# Altium PCB UmTRXv21.PcbDoc (part 7 of 19) (continued)
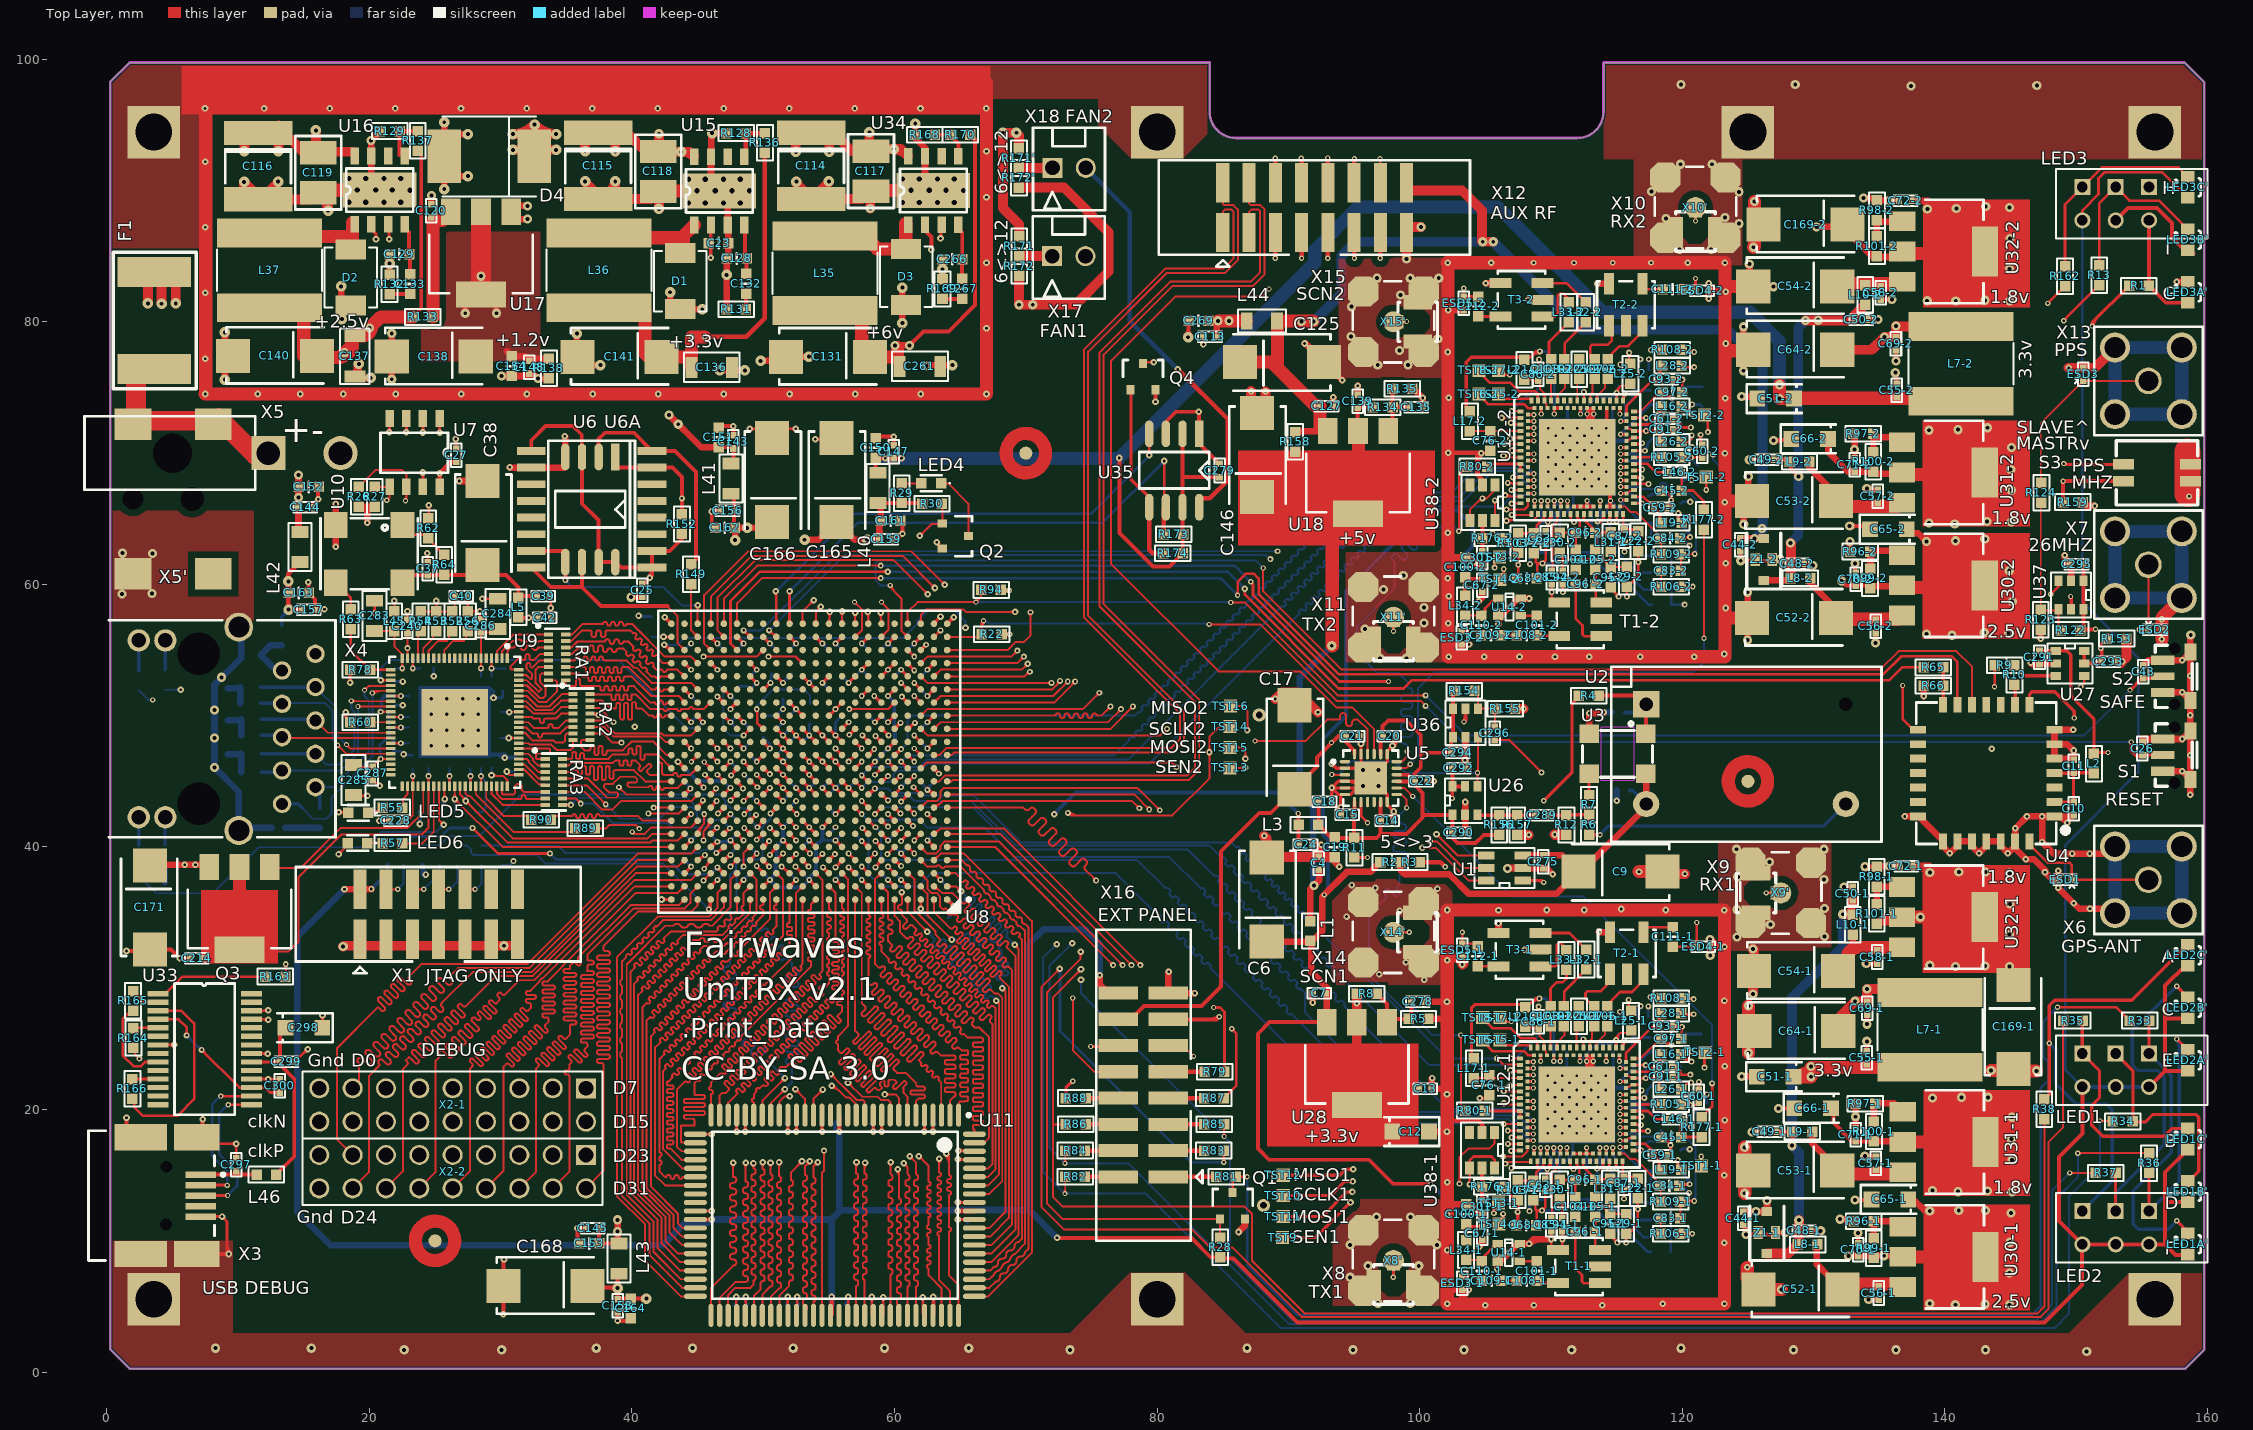
[diagram p0: Top Layer view]
## Nets (pads, with @x,y where several pads share a name; then routed paths per layer and width w, separated by ;. In a path a pad name is that pad's centre, name@x,y a point inside that pad or via, vN(x,y) a via of type N, cw(c..) or ccw(c..) an arc to the next point about the centre after c; other vN are vias at no path point) (continued)
; C68-2.2@108.896,60.48 108.95,60.534 108.95,61.6 ; v1@108.969,27.75 cw(c108.755,27.536) 109.057,27.536 cw(c109.359,27.536) v1@109.145,27.75 ; v1@109.008,77.041 cw(c108.794,76.828) 109.096,76.828 cw(c109.398,76.828) v1@109.184,77.041 ; C86-1.2@109.057,27.188 v1(109.057,27.838) ; C86-2.2@109.096,76.48 v1(109.096,77.13) ; v1@109.223,12.22 ccw(c109.009,12.006) 109.009,12.308 ccw(c109.009,12.61) v1@109.223,12.397 ; v1@109.262,61.512 ccw(c109.048,61.298) 109.048,61.6 ccw(c109.048,61.902) v1@109.262,61.688 ; v1@109.311,12.433 ccw(c109.311,12.735) 109.524,12.522 ccw(c109.738,12.308) v1@109.436,12.308 ; v1@109.35,61.725 ccw(c109.35,62.027) 109.563,61.813 ccw(c109.777,61.6) v1@109.475,61.6 ; C63-1.1@109.557,13.738 109.557,12.554 v1(109.311,12.308) 108.911,12.308 ; C63-2.1@109.596,63.03 109.596,61.846 v1(109.35,61.6) 108.95,61.6 ; v1@109.923,10.02 cw(c109.709,9.806) 110.011,9.806 cw(c110.313,9.806) v1@110.099,10.02 ; v1@109.923,10.197 ccw(c109.719,10.4) 110.007,10.4 ; T1-1.6@109.933,9.3 110.011,9.378 v1(110.011,10.108) 110.007,10.112 C85-1.1@110.007,10.738 ; v1@109.962,59.312 cw(c109.748,59.098) 110.05,59.098 cw(c110.352,59.098) v1@110.138,59.312 ; v1@109.962,59.488 ccw(c109.758,59.692) 110.046,59.692 ; T1-2.6@109.972,58.592 110.05,58.67 v1(110.05,59.4) 110.046,59.404 C85-2.1@110.046,60.03 ; 110.007,10.42 ccw(c110.323,10.42) v1@110.099,10.197 ; 110.046,59.712 ccw(c110.362,59.712) v1@110.138,59.488 ; T1-1.6@110.525,9.32 110.861,9.656 v1(110.861,10.108) 110.911,10.108 110.857,10.162 C94-1.1@110.857,10.738 ; v1@110.773,10.02 cw(c110.559,9.806) 110.861,9.806 cw(c111.163,9.806) v1@110.949,10.02 ; v1@110.773,10.197 ccw(c110.569,10.4) 110.857,10.4 ; v1@110.812,59.488 ccw(c110.608,59.692) 110.896,59.692 ; 110.857,10.42 ccw(c111.173,10.42) v1@110.949,10.197 ; 110.896,59.712 ccw(c111.212,59.712) v1@110.988,59.488 ; C94-2.1@110.896,60.03 110.896,59.454 110.95,59.4 v1(110.9,59.4) ; U12-1.0@111.957,20.388 U12-1.0@113.057,21.488 113.207,21.638 v4(113.207,23.688) ; v4@112.636,23.617 cw(c112.466,23.447) 112.707,23.447 cw(c112.948,23.447) v4@112.778,23.617 ; v4@112.636,23.759 ccw(c112.466,23.93) 112.707,23.93 ccw(c112.948,23.93) v4@112.778,23.759 ; U12-1.0@112.707,21.138 v4(112.707,23.688) ; v4@112.707,23.713 U12-1.99@112.707,24.138 ; v4@113.136,23.617 cw(c112.966,23.447) 113.207,23.447 cw(c113.448,23.447) v4@113.278,23.617 ; v4@113.136,23.759 ccw(c112.966,23.93) 113.207,23.93 ccw(c113.448,23.93) v4@113.278,23.759 ; v4@113.207,23.713 U12-1.97@113.207,24.138 ; v4@114.136,17.017 cw(c113.966,16.847) 114.207,16.847 cw(c114.448,16.847) v4@114.278,17.017 ; v4@114.136,23.759 ccw(c113.966,23.93) 114.207,23.93 ccw(c114.448,23.93) v4@114.278,23.759 ; U12-1.53@114.207,16.638 v4@114.207,17.063 ; v4@114.207,23.713 U12-1.93@114.207,24.138 ; C95-1.2@114.507,10.538 114.507,10.418 v1(115.05,9.875) ; C95-2.2@114.546,59.83 114.546,59.679 v1(115.15,59.075) ; v4@114.636,17.017 cw(c114.466,16.847) 114.707,16.847 cw(c114.948,16.847) v4@114.778,17.017 ; U12-1.55@114.707,16.638 v4@114.707,17.063 ; v1@114.925,9.875 ccw(c114.623,9.875) 114.837,10.088 ccw(c115.05,10.302) v1@115.05,10 ; v1@115.025,59.075 ccw(c114.723,59.075) 114.937,59.288 ccw(c115.15,59.502) v1@115.15,59.2 ; U12-1.88@115.457,24.704 cw(c116.079,24.704) v1@115.644,25.149 ; U12-1.88@115.457,24.713 115.457,25.138 115.607,25.288 v1(115.557,25.238) ; v1@115.473,13.297 ccw(c115.269,13.5) 115.557,13.5 ; U12-2.88@115.496,73.995 cw(c116.118,73.995) v1@115.683,74.441 ; U12-2.88@115.496,74.005 115.496,74.43 115.646,74.58 v1(115.596,74.53) ; v1@115.512,62.588 ccw(c115.308,62.792) 115.596,62.792 ; 115.557,13.52 ccw(c115.873,13.52) v1@115.649,13.297 ; C87-1.2@115.557,13.888 115.557,13.212 v1(115.561,13.208) ; 115.596,62.812 ccw(c115.912,62.812) v1@115.688,62.588 ; C87-2.2@115.596,63.18 115.596,62.504 v1(115.6,62.5) ; C45-1.1@118.111,17.908 C45-1.1@118.411,17.908 ; C45-2.1@118.45,67.15 118.75,67.15 119.15,66.75 v1(119.15,66.4) 119.15,66.114 ; C45-1.1@118.65,17.9 119.111,17.439 119.111,16.822 C59-1.1@118.816,16.527 ; C45-1.1@118.777,17.773 cw(c118.298,17.294) v1@118.975,17.294 ; v1@119.012,17.206 cw(c118.772,16.966) 119.111,16.966 ; v1@119.027,66.377 cw(c118.414,66.26) C59-2.1@118.855,65.819 119.15,66.114 ; v1@119.062,66.488 ccw(c118.848,66.702) 119.15,66.702 ccw(c119.452,66.702) v1@119.238,66.488 ; v1@119.065,66.308 cw(c118.885,66.114) 119.15,66.114 ; 119.111,17.019 cw(c119.375,17.019) v1@119.188,17.206 ; 119.123,66.086 ccw(c118.863,66.346) v1@119.224,66.414 ; v1@119.235,66.308 ccw(c119.415,66.114) 119.15,66.114 ; C91-1.2@119.257,22.438 119.641,22.438 119.861,22.658 ; C61-1.1@119.257,23.188 119.269,23.2 119.569,23.2 119.861,22.908 119.861,22.658 ; C93-1.2@119.266,26.275 v1@119.85,26.275 ; C91-2.2@119.296,71.73 119.68,71.73 119.9,71.95 ; C61-2.1@119.296,72.48 119.316,72.5 119.6,72.5 119.9,72.2 119.9,71.95 ; C93-2.2@119.296,75.48 119.88,75.48 v1(120,75.6) 120,74.7 120.2,74.5 120.15,74.5 C97-2.1@119.95,74.7 ; C93-2.2@119.408,75.48 ccw(c119.408,76.192) v1@119.912,75.688 ; 119.579,26.275 ccw(c119.579,26.69) v1@119.873,26.397 ; R106-1.1@119.857,10.538 v1(120.757,10.538) ; C84-1.1@119.857,14.288 120.541,14.288 v1(120.561,14.308) ; v1@119.873,26.22 cw(c119.659,26.006) 119.961,26.006 cw(c120.263,26.006) v1@120.049,26.22 ; R106-2.1@119.896,59.83 v1(120.796,59.83) ; C84-2.1@119.896,63.58 120.58,63.58 v1(120.6,63.6) ; C97-1.1@119.911,25.408 120.111,25.208 120.161,25.208 119.961,25.408 v1(119.961,26.308) ; v1@119.912,75.512 cw(c119.698,75.298) 120,75.298 cw(c120.302,75.298) v1@120.088,75.512 ; R108-1.1@119.961,28.408 v1(120.861,28.408) ; R108-2.1@120,77.7 v1(120.9,77.7) ; 120.211,14.288 ccw(c120.211,14.659) v1@120.473,14.397 ; 120.25,63.58 ccw(c120.25,63.95) v1@120.512,63.688 ; 120.308,14.288 cw(c120.308,14.055) v1@120.473,14.22 ; 120.347,63.58 cw(c120.347,63.347) v1@120.512,63.512 ; v1@120.523,22.57 ccw(c120.309,22.356) 120.309,22.658 ccw(c120.309,22.96) v1@120.523,22.747 ; v1@120.562,71.862 ccw(c120.348,71.648) 120.348,71.95 ccw(c120.348,72.252) v1@120.562,72.038 ; v1(120.611,22.658) 119.861,22.658 ; v1(120.65,71.95) 119.9,71.95 ; v1@120.669,10.45 ccw(c120.455,10.236) 120.455,10.538 ccw(c120.455,10.84) v1@120.669,10.626 ; v1@120.708,59.741 ccw(c120.494,59.528) 120.494,59.83 ccw(c120.494,60.132) v1@120.708,59.918 ; v1@120.773,28.32 ccw(c120.559,28.106) 120.559,28.408 ccw(c120.559,28.71) v1@120.773,28.497 ; v1@120.812,77.612 ccw(c120.598,77.398) 120.598,77.7 ccw(c120.598,78.002) v1@120.812,77.788 ; v1@121.173,22.02 cw(c120.959,21.806) 121.261,21.806 cw(c121.563,21.806) v1@121.349,22.02 ; C60-1.1@121.261,21.508 v1(121.261,22.108) ; v1@121.312,71.312 cw(c121.098,71.098) 121.4,71.098 cw(c121.702,71.098) v1@121.488,71.312 ; C60-2.1@121.4,70.65 v1(121.4,71.4) ; 42.756,57.244 cw(c42.519,57.013) 42.85,57.004 ccw(c42.517,57.012) 42.75,57.25 ccw(c42.988,57.482) 42.996,57.15 cw(c42.987,57.481) 42.756,57.244
  Top Layer w0.25: v2(63.225,63.2) 63.225,63.125 Q2.2@63.625,62.725 ; v2@63.35,63.2 ccw(c63.833,63.2) Q2.2@63.491,62.859 ; v2@93.3,44.375 cw(c93.3,44.073) 93.513,44.287 cw(c93.727,44.5) 93.425,44.5 cw(c93.727,44.5) 93.513,44.713 cw(c93.3,44.927) v2@93.3,44.625 ; v2@93.3,46.2 cw(c93.3,45.838) 93.556,46.094 ; v2(93.3,46.325) 93.325,46.325 93.65,46 U5.2@94.3,46 U5.0@95.525,46 ; v2@93.388,44.412 cw(c93.602,44.198) 93.602,44.5 cw(c93.602,44.802) v2@93.388,44.588 ; v2@93.425,46.325 ccw(c93.666,46.325) 93.496,46.154 ; v2@93.912,43.113 ccw(c93.729,43.296) 93.987,43.296 ; 93.987,43.357 ccw(c94.332,43.357) v2@94.088,43.113 ; U5.4@94.408,45 cw(c94.408,43.383) U5.0@95.551,44.526 ; 94.89,46 cw(c94.89,45.065) U5.0@95.551,45.726 ; 95.011,45 cw(c95.011,43.986) U5.0@95.728,44.703 ; v2@95.437,47.787 cw(c95.223,47.573) 95.525,47.573 cw(c95.827,47.573) v2@95.613,47.787 ; U5.0@95.505,44.692 cw(c95.259,44.753) U5.0@95.259,44.5 ; 95.525,46.635 ccw(c96.46,46.635) U5.0@95.799,45.974 ; v2(95.525,47.875) v2@95.525,47.825 ; U5.0@95.564,44.515 ccw(c95.42,44.34) U5.0@95.259,44.5 ; v2@95.603,47.972 cw(c95.989,48.45) C21.2@95.375,48.45 95.375,47.975 v2@95.525,47.825 ; U5.0@95.675,44.825 ccw(c95.675,45.247) 95.974,44.949 ccw(c96.272,44.65) U5.0@95.85,44.65 ; U5.0@95.675,45.675 cw(c95.675,45.253) 95.974,45.551 cw(c96.272,45.85) U5.0@95.85,45.85 ; U5.0@95.846,44.688 cw(c96.439,44.82) U5.0@96.009,45.25 ; U5.0@96.7,44.65 ccw(c96.278,44.65) 96.576,44.949 ccw(c96.875,45.247) U5.0@96.875,44.825 ; U5.0@96.875,44.475 cw(c96.875,44.053) 97.174,44.351 cw(c97.472,44.65) U5.0@97.05,44.65 ; v7(96.875,45.85) 97.525,46.5 U5.19@97.525,47.075 97.525,47.3 v2(97.925,47.7) 98.175,47.95 C20.2@98.175,48.425 cw(c97.412,48.425) v2@97.853,47.802 ; U5.0@96.875,46.025 ccw(c96.875,46.447) 97.174,46.149 ccw(c97.472,45.85) U5.0@97.05,45.85 ; v2@97.8,47.7 cw(c97.498,47.7) 97.712,47.487 cw(c97.925,47.273) v2@97.925,47.575 ; v2@97.9,42.7 ccw(c97.598,42.7) 97.812,42.913 ccw(c98.025,43.127) v2@98.025,42.825 ; v2@97.925,47.825 ccw(c97.925,48.127) 98.138,47.913 ccw(c98.352,47.7) v2@98.05,47.7 ; v2@97.997,47.598 ccw(c97.754,47.942) 98.175,47.942 ; v2(98.025,42.7) 97.525,43.2 U5.12@97.525,43.425 97.525,44 U5.0@96.275,45.25 ; X12.15@99,85.35 X12.15@99,86.8 X12.15@99,87.225 ; v2(93.3,44.5) 93.3,43.5 C18.2@93.25,43.45 93.688,43.012 93.987,43.012 93.987,43.937 U5.6@94.05,44 ; v2(93.3,44.5) 93.8,45 U5.4@94.3,45 U5.0@95.759,45 ; v2(93.3,44.5) U5.5@94.3,44.5 U5.0@95.259,44.5 ; v2(93.3,44.5) 93.8,44 U5.6@94.05,44 ; U5.6@94.05,44 U5.6@94.3,44 94.759,44 U5.0@95.259,44.5 ; U5.0@95.259,44.5 U5.0@95.759,45 ; U5.0@95.259,44.5 95.525,44.5 v7(95.675,44.65) U5.0@96.025,45 ; U5.0@95.525,46 U5.0@96.275,45.25 ; U5.0@95.525,46 U5.23@95.525,47.075 v2@95.525,47.825 ; U5.0@95.759,45 U5.0@96.009,45.25 ; U5.0@95.759,45 U5.0@96.025,45 ; U5.0@96.009,45.25 U5.0@96.275,45.25 ; U5.0@96.025,45 U5.0@96.275,45.25
  Top Layer w0.3: v2(1.5,19.375) 1.5,18.15 1.725,17.925 X3.0@2.375,17.925 ; v2(1.5,32.075) 3.15,32.075 C171.2@3.275,32.2 4.875,32.2 v2(5.55,31.525) ; X3.0@2.35,9.5 X3.0@2.85,9 ; X3.0@2.85,17.9 X3.0@2.95,18 ; X3.0@7.1,9 9.15,9 v2(9.3,9) ; v2(7.3,19.25) 7.3,17.725 X3.0@7.625,17.4 ; C163.2@15.35,59.55 v2(15.35,60.175) ; C163.2@15.375,59.35 15.858,58.867 C157.2@15.858,58.1 ; C144.2@15.608,65.9 15.525,65.9 v2(16.1,66.475) C152.2@16.1,67.175 ; v5@21.353,84.248 cw(c20.926,83.821) 21.53,83.821 cw(c22.134,83.821) v5@21.707,84.248 ; v5@21.353,84.602 ccw(c20.926,85.029) 21.53,85.029 ccw(c22.134,85.029) v5@21.707,84.602 ; R132.2@21.53,83.6 v5(21.53,84.425) C129.2@21.53,85.15 ; v2(30.2,4.4) C168.2@30.2,6.55 30.2,8.55 v2(30.25,8.6) ; 30.2,8.238 cw(c30.612,8.238) v2@30.321,8.529 ; C153.2@36,9.8 35.85,9.95 v2(35.85,10.95) C145.2@36.5,10.95 ; C158.2@38.9,4.55 v2(38.9,3.9) 39.7,3.9 C164.2@39.9,4.1 ; v2@46.146,65.479 cw(c46.437,65.188) 46.437,65.6 ; C162.2@46.325,64.3 46.075,64.55 v2(46.075,65.55) 46.025,65.6 C156.2@46.775,65.6 ; C151.2@46.625,71.95 46.725,72.05 v2(47.725,72.05) C143.2@47.725,71.4 ; C150.2@58.55,71.15 58.65,71.25 v2(59.95,71.25) C147.2@59.95,70.6 ; C159.2@59.85,63.45 60.2,63.45 v2(60.6,63.85) 60.6,64.7 C161.2@60.45,64.85 ; v3(62.45,76.625) C261.2@63.45,76.625 ; v3@62.591,76.484 cw(c62.933,76.142) 62.933,76.625 cw(c62.933,77.108) v3@62.591,76.766 ; v5@63.473,83.823 cw(c63.046,83.396) 63.65,83.396 cw(c64.254,83.396) v5@63.827,83.823 ; v5@63.473,84.177 ccw(c63.046,84.604) 63.65,84.604 ccw(c64.254,84.604) v5@63.827,84.177 ; R169.2@63.65,83.15 v5(63.65,84) C266.2@63.65,84.75 ; v2(79.875,73.925) Q4.2@79.875,74.825 ; U35.3@80.665,71.466 80.665,72.39 81.425,73.15 v2(83.175,73.15) 83.175,71.497 U35.1@83.2,71.472 83.2,70.725 C279.2@84.75,69.175 ; v5@82.173,79.002 ccw(c81.626,79.549) 82.4,79.549 ; v5(82.35,78.825) 82.4,78.875 C269.2@82.4,80.075 ; 82.4,79.308 ccw(c82.833,79.308) v5@82.527,79.002 ; U35.1@83.129,71.779 cw(c82.802,71.452) U35.1@83.265,71.452 ; v2(83.525,78.275) C113.2@83.525,78.875 ; U12-2.53@114.246,65.93 114.5,65.93 ; U12-2.93@114.246,73.43 114.246,72.3 U12-2.0@111.996,69.68 114.55,66.95 114.5,66.9 114.5,65.93 ; U12-2.55@114.746,65.93 114.5,65.93 ; v3@124.309,61.941 ccw(c123.967,62.283) 124.45,62.283 ccw(c124.933,62.283) v3@124.591,61.941 ; C44-2.2@124.45,62.488 v3(124.45,61.8) v3@127.448,61.8 ; v3@124.681,10.581 ccw(c124.267,10.842) 124.613,11.187 124.85,10.95 ; v3@124.71,10.618 ccw(c124.386,10.95) 124.85,10.95 ; 124.878,10.922 cw(c124.593,10.636) v3@124.935,10.422 ; v3@124.99,10.618 cw(c125.314,10.95) 124.85,10.95 ; v3@124.991,10.334 cw(c125.333,9.992) 125.333,10.475 cw(c125.333,10.958) v3@124.991,10.616 ; v3(125.101,69.494) C49-2.2@125.944,69.494 ; v3@125.243,69.353 cw(c125.584,69.011) 125.584,69.494 cw(c125.584,69.977) v3@125.243,69.635 ; v3(125.301,18.295) C49-1.2@126.144,18.295 ; v3@125.443,18.153 cw(c125.784,17.812) 125.784,18.295 cw(c125.784,18.778) v3@125.443,18.436 ; Z1-2.2@126.673,61.8 ccw(c126.673,62.696) 127.307,62.062 cw(c126.978,62.391) Z1-2.2@126.978,61.926 ; Z1-2.2@126.69,61.926 127.443,61.926 v3(127.448,61.921) ; v3(126.95,70.95) 127,71 C66-2.2@128.3,71 ; Z1-2.2@126.953,61.926 cw(c126.953,61.426) v3@127.307,61.78 ; Z1-1.2@127.09,10.475 v3(124.85,10.475) 124.85,10.95 ; Z1-1.2@127.09,10.631 127.843,10.631 v3(127.848,10.626) ; v3@127.091,70.809 cw(c127.554,70.346) 127.554,71 ; v3@127.091,71.091 ccw(c127.312,71.312) 127.312,71 ; v3(127.325,20.075) C66-1.2@128.675,20.075 ; Z1-1.2@127.353,10.631 cw(c127.353,10.13) v3@127.707,10.484 ; Z1-1.2@127.378,10.631 ccw(c127.378,11.096) v3@127.707,10.767 ; C48-2.2@129.264,61.45 v3(129.95,61.45) ; v3@129.726,61.376 129.744,61.358 v3@129.787,61.358 ; C48-1.2@129.79,10.781 130.476,10.781 130.494,10.763 v3(130.538,10.763) ; v3@129.809,61.309 ccw(c129.467,60.967) 129.467,61.45 ccw(c129.467,61.933) v3@129.809,61.591 ; C48-1.2@130.011,10.781 cw(c130.011,10.236) v3@130.396,10.621 ; 130.098,10.781 ccw(c130.098,11.202) v3@130.396,10.904 ; v3(132.306,36.95) C50-1.2@132.975,36.95 ; v3@132.447,36.809 cw(c132.788,36.467) 132.788,36.95 cw(c132.788,37.433) v3@132.447,37.091 ; v3(132.75,64.45) 134.05,64.45 C65-2.2@134.3,64.2 ; v3@132.891,64.309 cw(c133.233,63.967) 133.233,64.45 cw(c133.233,64.933) v3@132.891,64.591 ; v3@132.965,70.184 v3@132.983,70.202 ; v3@132.984,70.134 cw(c132.642,69.792) 133.125,69.792 cw(c133.608,69.792) v3@133.266,70.134 ; v3@133.001,61.466 cw(c132.665,61.131) C70-2.2@133.14,61.131 ; C71-2.2@133.125,69.575 C71-2.2@133.125,69.6 v3(133.125,70.275) v3@133.125,70.358 ; C70-2.2@133.14,60.826 133.14,61.519 133.143,61.521 v3(133.143,61.608) ; C70-2.2@133.14,61.119 cw(c133.631,61.119) v3@133.284,61.466 ; v3(133.15,13.1) C65-1.2@134.4,13.1 ; v3@133.251,10.471 cw(c132.915,10.135) 133.39,10.135 ; v3@133.291,12.959 cw(c133.633,12.617) 133.633,13.1 cw(c133.633,13.583) v3@133.291,13.241 ; C70-1.2@133.39,9.831 133.39,10.523 133.393,10.526 v3(133.393,10.612) ; 133.39,10.124 cw(c133.881,10.124) v3@133.534,10.471 ; v3(133.9,16.45) 134.7,16.45 C57-1.2@134.75,16.4 ; v3@133.909,25.059 cw(c133.567,24.717) 134.05,24.717 cw(c134.533,24.717) v3@134.191,25.059 ; v3(133.925,38.5) 134.098,38.5 R98-1.1@134.768,38.5 ; v3@133.934,26.641 ccw(c133.592,26.983) 134.075,26.983 ccw(c134.558,26.983) v3@134.216,26.641 ; v3(134.015,31.117) C58-1.2@134.854,31.117 ; v3@134.041,16.309 cw(c134.383,15.967) 134.383,16.45 cw(c134.383,16.933) v3@134.041,16.591 ; C55-1.2@134.05,24.444 v3(134.05,25.2) ; v3(134.05,67.3) 134.15,67.2 C57-2.2@134.9,67.2 ; v3@134.066,38.359 cw(c134.408,38.017) 134.408,38.5 cw(c134.408,38.983) v3@134.066,38.641 ; v3@134.075,26.325 v3(134.075,26.5) C69-1.2@134.075,27.225 ; v3@134.157,30.976 cw(c134.498,30.634) 134.498,31.117 cw(c134.498,31.6) v3@134.157,31.258 ; v3@134.191,67.441 ccw(c134.774,68.024) C57-2.2@134.774,67.2 ; v3(134.194,5.525) C56-1.2@134.95,5.525 ; v3@134.335,5.384 cw(c134.677,5.042) 134.677,5.525 cw(c134.677,6.008) v3@134.335,5.666 ; v3@134.584,55.685 ccw(c134.242,56.027) 134.725,56.027 ccw(c135.208,56.027) v3@134.866,55.685 ; v3(134.725,55.544) C56-2.2@134.725,56.3 ; C58-2.2@135.132,81.7 v3(135.975,81.7) ; v3@135.834,81.559 ccw(c135.492,81.217) 135.492,81.7 ccw(c135.492,82.183) v3@135.834,81.841 ; v3@136.084,75.984 cw(c135.481,75.381) C55-2.2@136.333,75.381 ; v3@136.134,77.166 ccw(c135.792,77.508) 136.275,77.508 ccw(c136.758,77.508) v3@136.416,77.166 ; v3(136.275,77.025) C69-2.2@136.275,77.825 ; C55-2.2@136.333,75.275 v3@136.333,76.031
  Top Layer w0.35: C157.2@15.858,58.1 v2(16.575,58.1) ; 102.1,19.15 104.475,19.15 104.75,18.875 U38-1.2@104.75,18.25 ; v2@102.139,69.975 102.189,70.025 104.4,70.025 ; 104.4,69.155 cw(c105.52,69.155) v2@104.728,69.947 ; v2(104.675,70) 104.65,70.025 104.4,70.025 ; U38-2.2@104.775,67.575 104.775,67.975 104.4,68.35 104.4,70.025